# Altium PCB pay-ssm-v4-3.PcbDoc (part 2 of 4) (continued)
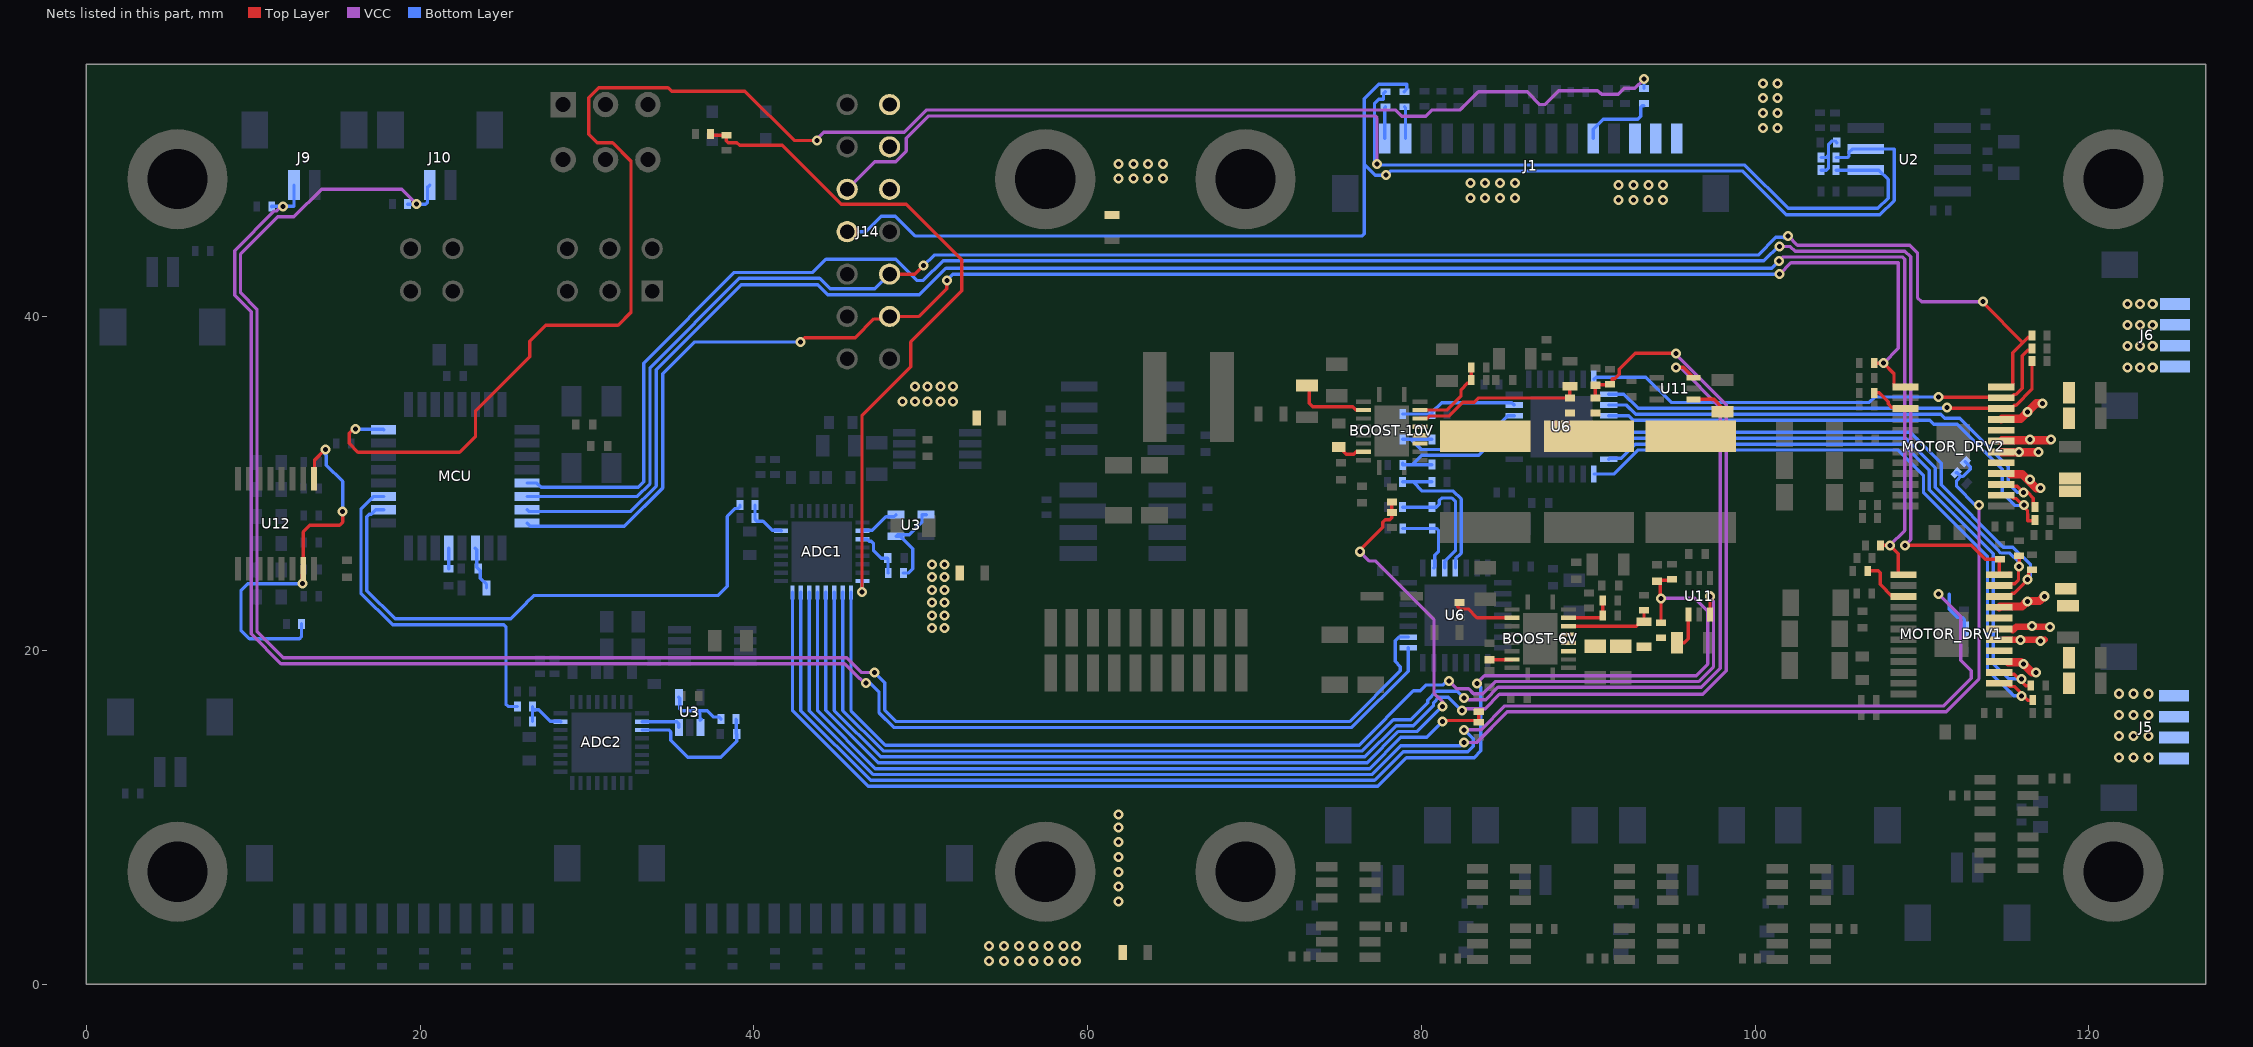
[diagram p6: the nets of this part, all layers, seen from the top]
## Part data (continued)
R80 R81 R82 R83 R84 R85: library part RES0402, "0402 resistor", Case Code (Metric)=1005, Manufacturer="TE Connectivity", Manufacturer Part Number=CRGCQ0402F330R, Max Operating Temperature=155°C, Max Power Dissipation=63mW, Min Operating Temperature=-55°C, Resistance=330R, Supplier Part Number 1=A129621CT-ND, Temperature Coefficient=100ppm/°C, Tolerance=1%, Case/Package=0402, Case Code (Imperial)=0402, Composition="Thick Film", Features="Moisture Resistant,Automotive AEC-Q200", Number of Terminations=2, Packaging="Tape and Reel", Pricing 1="1=0.1, 10=0.022, 100=0.009, 1000=0.00406, 2500=0.00352, 5000=0.00291 (USD)", Stock 1=224275, Supplier 1=Digi-Key
R88: library part RES0402, "0402 resistor", Supplier Part Number 1=52K6769, Supplier 1=Newark
R89: library part RES0603, "0603 resistor", Supplier Part Number 1=311-470KHRCT-ND, Supplier 1=Digi-Key
R92: library part RES0805, "0805 resistor", Supplier Part Number 1=541-15.4KCCT-ND, Supplier 1=Digi-Key
R93: library part RES0402, "0402 resistor", Supplier Part Number 1=541-118KLCT-ND, Supplier 1=Digi-Key
R95: library part Res1, "Resistor", LatestRevisionDate=17-Jul-2002, LatestRevisionNote="Re-released for DXP Platform.", PackageDescription="Axial Device, Thru-Hole; 2 Leads; 0.3 in Pin Spacing", PackageReference=AXIAL-0.3, Published=8-Jun-2000, Publisher="Altium Limited"
RST: library part "Pushbutton - Low Profile", "Schematic symbol for a generic 2-pin pushbutton, OFF-mom.", Supplier Part Number 1=CKN10587CT-ND, Supplier 1=Digi-Key
SSM-OPTICAL: Supplier Part Number 1=SAM8969-ND, Supplier 1=Digi-Key
U2: "3.3V CAN Transceiver with Standby Mode, Loop-back 8-SOIC -40 to 125", Package="SOIC-8 Texas Instruments", Supplier Part Number 1=296-14639-5-ND, Availability=Good, MF="Texas Instruments", MP=SN65HVD233D, Price="2.39 USD", SnapEDA_Link=https://www.snapeda.com/parts/SN65HVD233D/Texas%20Instruments/view-part/?ref=snap, Supplier 1=Digi-Key
U3 U3: "Low power, low noise rail-to-rail op-amp.", Supplier Part Number 1=AD8613AKSZ-REEL7CT-ND, Supplier 1=Digi-Key
U4 U4: "Voltage Reference", Supplier Part Number 1=296-41382-1-ND, Supplier 1=Digi-Key
U6 U6: "16 channel SPI port expander", Supplier Part Number 1=MCP23S17T-E/MLCT-ND, Supplier 1=Digi-Key
U9: "Digital 24-bit pressure sensor with SPI output. Operating range from 0-5bar, includes onboard temperature sensor and hermetic seal.", Supplier Part Number 1=824-MS580305BA01-00, ComponentLink1Description=14BA-Datasheet, ComponentLink1URL=https://www.te.com/commerce/DocumentDelivery/DDEController?Action=srchrtrv&DocNm=MS5803-14BA&DocType=Data+Sheet&DocLang=English, ComponentLink2Description=05BA-Datasheet, ComponentLink2URL=https://www.te.com/commerce/DocumentDelivery/DDEController?Action=srchrtrv&DocNm=MS5803-05BA&DocType=Data+Sheet&DocLang=English, Supplier 1=Mouser
U10: "Digital humidity/temperature sensors. +/- 3% RH, 0-100%, SPI output. Model version with filter and condensation resistant.", Supplier Part Number=480-5705-1-ND, ComponentLink1Description=Datasheet, ComponentLink1URL=https://sensing.honeywell.com/index.php?ci_id=147071, Supplier=Digi-Key, Supplier 1=Digi-Key, Supplier Part Number 1=480-5705-1-ND
U11 U11: "IC CURR SENSE 1 CIRCUIT SC70-6", Supplier Part Number 1=296-51151-1-ND, ComponentLink1Description=Datasheet, ComponentLink1URL=http://www.ti.com/general/docs/suppproductinfo.tsp?distId=10&gotoUrl=http%3A%2F%2Fwww.ti.com%2Flit%2Fgpn%2Fina213-q1, Supplier 1=Digi-Key
U12: "Hex non-inverting buffer with 3-state outputs", Supplier Part Number 1=296-33932-5-ND, Supplier 1=Digi-Key
Y1: library part AMB3B-8MHz, "8MHz Abracom 4-pin crystal.", Supplier Part Number 1=535-13456-1-ND, Supplier 1=Digi-Key

## Free pads (board coordinates)
  round 6 hole 3.6 unplated: 1(5.461,6.731) 1(5.461,48.231) 1(57.461,6.731) 1(57.461,48.231) 1(69.461,6.731) 1(69.461,48.231) 1(121.461,6.731) 1(121.461,48.231)

## Via types
v1: diameter 0.6, hole 0.3, Top Layer to Bottom Layer, tented both sides, 545 vias

## Nets (pads, with @x,y where several pads share a name; then routed paths per layer and width w, separated by ;. In a path a pad name is that pad's centre, name@x,y a point inside that pad or via, vN(x,y) a via of type N, cw(c..) or ccw(c..) an arc to the next point about the centre after c; other vN are vias at no path point)
+BATT: BATT2BST6V.2 BATT2BST10V.2 BATT2HEAT.1 BATT2MOT.1 J1.13 J1.14 J1.15 J14.2 J14.4 J14.6
  other v1: 54.102,1.397 54.991,1.397 55.88,1.397 56.769,1.397 57.658,1.397 58.547,1.397 59.309,1.397 54.102,2.286 54.991,2.286 55.88,2.286 56.769,2.286 57.658,2.286 58.547,2.286 59.309,2.286 61.849,4.953 61.849,5.842 61.849,6.731 61.849,7.62 61.849,8.509 61.849,9.398 61.849,10.16 50.673,21.336 51.435,21.336 50.673,22.098 51.435,22.098 50.673,22.86 51.435,22.86 50.673,23.622 51.435,23.622 50.673,24.384 51.435,24.384 50.673,25.146 51.435,25.146 48.895,34.925 48.895,34.925 49.657,34.925 50.419,34.925 51.181,34.925 51.943,34.925 49.657,35.814 50.419,35.814 51.181,35.814 51.943,35.814 91.821,46.99 92.71,46.99 93.599,46.99 94.488,46.99 82.931,47.117 83.82,47.117 84.709,47.117 85.598,47.117 91.821,47.879 92.71,47.879 93.599,47.879 94.488,47.879 82.931,48.006 83.82,48.006 84.709,48.006 85.598,48.006 61.849,48.26 62.738,48.26 63.627,48.26 64.516,48.26 61.849,49.149 62.738,49.149 63.627,49.149 64.516,49.149 100.457,51.308 101.346,51.308 100.457,52.197 101.346,52.197 100.457,53.086 101.346,53.086 100.457,53.975 101.346,53.975
A0_Port_Expander1: R71.1@80.634,31.13 R74.2@78.878,31.115 U6.11@85.557,33.401 | length 8.9
  Bottom Layer w0.2: R74.2@78.878,31.215 R74.2@78.878,31.115 79.502,31.115 ; R71.1@80.634,31.13 80.619,31.115 79.502,31.115 ; U6.11@85.557,33.401 85.165,33.401 83.446,31.682 80.01,31.682 79.502,31.174 79.502,31.115
A0_Port_Expander2: R71.1@80.634,30.099 R74.2@78.867,30.099 U6.11@82.042,24.933 | length 9.4
  Bottom Layer w0.2: R74.2@78.867,30.099 79.502,30.099 ; R71.1@80.634,30.099 79.502,30.099 ; U6.11@82.042,24.933 82.042,25.477 82.394,25.829 82.394,29.07 81.918,29.547 80.054,29.547 79.502,30.099
A1_Port_Expander1: R70.1@80.634,32.631 R73.2@78.878,32.639 U6.12@85.557,34.051 | length 9
  Bottom Layer w0.2: R73.2@78.878,32.639 79.375,32.639 ; R70.1@80.634,32.631 80.627,32.639 79.375,32.639 ; U6.12@85.557,34.051 85.165,34.051 83.149,32.035 79.979,32.035 79.375,32.639
A1_Port_Expander2: R70.1@80.634,28.575 R73.2@78.867,28.575 U6.12@81.392,24.933 | length 7.9
  Bottom Layer w0.2: R73.2@78.867,28.575 R70.1@80.634,28.575 80.899,28.575 81.082,28.758 81.082,28.98 81.229,29.127 81.839,29.127 82.042,28.924 82.042,25.975 81.392,25.325 U6.12@81.392,24.933
A2_Port_Expander1: R69.1@80.634,34.163 R72.2@78.878,34.163 U6.13@85.557,34.701 | length 7.1
  Bottom Layer w0.2: R72.2@78.878,34.163 R69.1@80.634,34.163 80.634,34.263 81.213,34.842 85.416,34.842 U6.13@85.557,34.701
A2_Port_Expander2: R69.1@80.645,27.305 R72.2@78.878,27.305 U6.13@80.742,24.933 | length 4.6
  Bottom Layer w0.2: R72.2@78.878,27.305 R69.1@80.645,27.305 80.909,27.305 81.026,27.188 81.026,25.908 80.807,25.689 80.807,24.998 U6.13@80.742,24.933
A_PHASE_MOT1: MCU.15 MOTOR_DRV1.13 R60.2@107.511,26.289 | length 113.8
  Top Layer w0.2: R60.2@107.511,26.289 v1(108.077,26.289) 108.585,25.781 108.585,24.635 108.69,24.53 MOTOR_DRV1.13@108.89,24.53
  VCC w0.2: v1(101.444,43.336) 101.679,43.57 108.83,43.57 108.966,43.434 108.966,27.178 v1(108.077,26.289)
  Bottom Layer w0.2: MCU.15@26.416,28.423 26.518,28.321 32.639,28.321 34.163,29.845 34.163,36.82 36.581,39.238 38.618,41.275 39.253,41.91 43.821,41.91 44.426,41.305 49.922,41.305 51.514,42.897 101.006,42.897 v1(101.444,43.336)
A_PHASE_MOT2: J14.12 MCU.16 MOTOR_DRV2.13 R60.2@107.13,37.211 | length 102.3
  Top Layer w0.2: v1(42.799,38.481) 42.799,38.491 43.043,38.735 46.076,38.735 47.198,39.857 47.985,39.857 J14.12@48.133,40.005 49.899,40.005 51.562,41.668 v1(51.562,42.164) ; R60.2@107.13,37.211 v1(107.696,37.211) 108.321,36.586 108.321,35.894 108.426,35.789 MOTOR_DRV2.13@109.006,35.789
  VCC w0.2: v1(101.473,42.545) 102.146,43.218 108.585,43.218 108.585,38.1 v1(107.696,37.211)
  Bottom Layer w0.2: MCU.16@26.416,27.623 26.607,27.432 32.248,27.432 34.544,29.728 34.544,36.576 36.449,38.481 v1(42.799,38.481) ; v1(51.562,42.164) 51.562,42.179 51.928,42.545 v1(101.473,42.545)
ADC1_CS_N: MCU.26 R19.1@39.174,28.702 | length 34
  Bottom Layer w0.2: MCU.26@17.816,28.423 17.341,28.423 17.068,28.15 16.961,28.15 16.814,28.003 16.814,23.572 18.5,21.885 25.432,21.885 26.375,22.828 26.375,22.838 26.822,23.285 37.837,23.285 38.398,23.847 38.398,28.021 38.879,28.502 39.074,28.502 39.174,28.602 R19.1@39.174,28.702
ADC2_CS_N: MCU.27 R19.1@25.839,16.637 | length 21.6
  Bottom Layer w0.2: MCU.27@17.816,29.223 17.234,29.223 16.461,28.45 16.461,23.426 18.354,21.533 25.029,21.533 25.146,21.416 25.146,16.764 25.273,16.637 R19.1@25.839,16.637
ADC_AINP_ADC1: ADC1.3 C11.2@48.014,25.527 R21.2@48.064,24.638 | length 3.1
  Bottom Layer w0.2: ADC1.3@46.504,26.658 46.794,26.658 46.912,26.54 47.029,26.54 47.176,26.393 47.176,25.974 47.623,25.527 C11.2@48.014,25.527 48.039,25.502 48.039,24.663 R21.2@48.064,24.638
ADC_AINP_ADC2: ADC2.3 C11.2@38.981,14.986 R21.2@38.931,15.875 | length 8.4
  Bottom Layer w0.2: ADC2.3@33.296,15.228 34.907,15.228 35.025,15.111 35.025,14.613 36.049,13.589 38.023,13.589 38.981,14.547 C11.2@38.981,14.986 38.956,15.011 38.956,15.85 R21.2@38.931,15.875
ADC_BUF_OUT_ADC1: R21.1@48.964,24.638 U3.1@48.523,26.832 U3.4@50.323,28.132 | length 5.8
  Bottom Layer w0.2: R21.1@48.964,24.638 49.276,24.638 49.53,24.892 49.53,26.09 48.788,26.832 U3.1@48.523,26.832 48.615,26.924 49.323,26.924 50.077,27.678 50.077,28.132 U3.4@50.323,28.132
ADC_BUF_OUT_ADC2: R21.1@38.031,15.875 U3.1@36.812,15.382 U3.4@35.512,17.182 | length 4.2
  Bottom Layer w0.2: U3.4@35.512,17.182 35.56,17.134 35.56,16.5 35.677,16.383 36.576,16.383 ; U3.1@36.854,15.875 36.777,15.799 36.777,16.182 36.576,16.383 ; R21.1@38.031,15.875 38.031,15.902 37.931,16.002 37.592,16.002 37.211,16.383 36.576,16.383
ADC_CH3_ADC1: ADC1.15 R42.1 R78_MOT_DRV1.2 | length 91.7
  VCC w0.2: v1(82.55,15.24) 83.576,15.24 85.001,16.666 111.3,16.666 112.947,18.313 112.947,18.771 112.312,19.406 112.312,22.054 v1(110.998,23.368)
  Bottom Layer w0.2: ADC1.15@42.819,23.473 42.819,16.382 46.993,12.208 77.194,12.208 78.911,13.926 82.779,13.926 83.102,14.249 83.102,14.707 82.569,15.24 v1(82.55,15.24) ; 111.633,23.368 111.633,22.453 112.117,21.969 112.405,21.969 112.522,21.851 R42.1@112.522,21.521 R78_MOT_DRV1.2@112.522,20.897
ADC_CH4_ADC1: ADC1.14 R43.1 R78_MOT_DRV2.2 | length 95.8
  VCC w0.2: v1(82.55,14.478) 83.312,14.478 85.147,16.313 104.016,16.313 109.385,16.313 111.446,16.313 113.411,18.278 v1(113.411,28.702)
  Bottom Layer w0.2: ADC1.14@43.319,23.473 43.319,16.381 47.139,12.561 77.048,12.561 78.765,14.278 82.35,14.278 v1(82.55,14.478) ; R78_MOT_DRV2.2@112.04,30.634 112.117,30.634 112.333,30.418 ; R43.1@112.586,31.305 112.884,31.007 112.884,30.842 112.747,30.705 112.743,30.705 112.457,30.418 112.333,30.418 ; v1(113.411,28.702) 113.19,28.702 112.07,29.822 112.07,30.155 112.333,30.418
ADC_MXO_ADC1: ADC1.2 U3.3@48.523,28.132 | length 2.4
  Bottom Layer w0.2: ADC1.2@46.504,27.158 46.534,27.188 47.108,27.188 47.917,27.997 48.388,27.997 U3.3@48.523,28.132
ADC_MXO_ADC2: ADC2.2 U3.3@35.512,15.382 | length 2.5
  Bottom Layer w0.2: ADC2.2@33.296,15.728 35.377,15.728 35.512,15.593 U3.3@35.512,15.382
ADECAY_MOTOR_DRV1: MOTOR_DRV1.3 R62.2@116.517,17.907 U6.28@91.227,31.451 | length 37.7
  Top Layer w0.2: MOTOR_DRV1.3@114.63,18.68 114.735,18.575 115.518,18.575 116.205,17.888 116.498,17.888 R62.2@116.517,17.907
  Bottom Layer w0.2: U6.28@91.227,31.451 91.292,31.516 91.968,31.516 92.809,32.357 108.867,32.357 110.441,30.783 110.441,29.621 114.271,25.79 114.271,19.206 115.189,18.288 v1(115.951,18.288)
ADECAY_MOTOR_DRV2: MOTOR_DRV2.3 R62.2@116.771,28.575 U6.23@91.227,34.701 | length 30.5
  Top Layer w0.2: MOTOR_DRV2.3@114.746,29.939 114.851,29.834 115.708,29.834 v1(116.078,29.464) 116.328,29.464 116.671,29.121 116.671,28.675 R62.2@116.771,28.575
  Bottom Layer w0.2: U6.23@91.227,34.701 92.289,34.701 92.843,34.147 111.122,34.147 111.365,33.904 112.263,33.904 115.16,31.007 115.16,30.001 115.697,29.464 v1(116.078,29.464)
AENBL_MOTOR_DRV1: MOTOR_DRV1.10 R58.2@116.586,24.823 U6.26@91.227,32.751 | length 33.3
  Top Layer w0.2: MOTOR_DRV1.10@114.63,23.23 115.21,23.23 115.403,23.423 115.52,23.423 116.332,24.235 v1(116.332,24.257) 116.386,24.311 116.386,24.723 116.486,24.823 R58.2@116.586,24.823
  Bottom Layer w0.2: U6.26@91.227,32.751 92.197,32.751 92.507,33.061 109.296,33.061 110.573,31.785 110.573,31.775 111.145,31.202 111.145,29.913 114.876,26.182 115.442,26.182 116.503,25.121 116.503,24.428 v1(116.332,24.257)
AENBL_MOTOR_DRV2: MOTOR_DRV2.10 R58.2@116.586,37.338 U6.22@91.227,35.351 | length 27.9
  Top Layer w0.2: v1(111.506,34.544) 111.534,34.516 114.718,34.516 MOTOR_DRV2.10@114.746,34.489 115.326,34.489 115.519,34.682 115.636,34.682 116.586,35.632 R58.2@116.586,37.338
  Bottom Layer w0.2: U6.22@91.227,35.351 92.138,35.351 92.989,34.5 v1@111.506,34.5
AISEN_MOTOR_DRV1: MOTOR_DRV1.5 R56.2@118.811,18.034 R57.2@118.811,19.558
AISEN_MOTOR_DRV2: MOTOR_DRV2.5 R56.2@118.872,29.525 R57.2@118.872,30.292
AOUT1_MOTOR_DRV1: J5.4 MOTOR_DRV1.4 | length 1.9
  Top Layer w0.5: MOTOR_DRV1.4@115.165,19.287 115.941,19.287 116.051,19.177 v1(116.078,19.177) 116.586,18.669 v1(116.84,18.669)
  other v1: 121.793,13.589 122.682,13.589 123.571,13.589
AOUT1_MOTOR_DRV2: J6.1 MOTOR_DRV2.4 | length 2.2
  Top Layer w0.5: MOTOR_DRV2.4@115.281,30.546 116.012,30.546 116.84,29.718 v1(117.094,29.718)
  other v1: 116.459,30.226 122.301,40.767 123.063,40.767 123.825,40.767
AOUT2_MOTOR_DRV1: J5.3 MOTOR_DRV1.6 | length 2.5
  Top Layer w0.4: MOTOR_DRV1.6@114.884,20.63 v1(115.895,20.63) v1@117.348,20.63
  other v1: 121.793,14.859 122.682,14.859 123.571,14.859 117.094,20.574
AOUT2_MOTOR_DRV2: J6.2 MOTOR_DRV2.6 | length 2.2
  Top Layer w0.5: MOTOR_DRV2.6@114.758,31.877 v1(116.967,31.877)
  other v1: 115.824,31.877 122.301,39.497 123.063,39.497 123.825,39.497
AREF: C4.2 MCU.21 | length 1.2
  Bottom Layer w0.2: MCU.21@21.716,26.123 C4.2@21.717,24.884 C4.2@21.717,24.884
AVCC: C3.2 L1.2 MCU.19 | length 2.7
  Bottom Layer w0.2: MCU.19@23.316,26.123 23.397,26.041 23.397,24.973 23.604,24.767 23.604,24.328 23.983,23.949 L1.2@23.983,23.749
B_PHASE_MOT1: MCU.13 MOTOR_DRV1.12 R61.2@114.681,25.458 | length 119.7
  Top Layer w0.2: v1(108.966,26.289) 112.951,26.289 113.782,25.458 R61.2@114.681,25.458 114.63,25.407 MOTOR_DRV1.12@114.63,24.53 115.167,24.53 MOTOR_DRV1.12@115.272,24.635
  VCC w0.2: v1(101.473,44.196) 102.118,44.196 102.391,43.923 108.976,43.923 109.318,43.58 109.318,26.641 v1(108.966,26.289)
  Bottom Layer w0.2: MCU.13@26.416,30.023 27,30.023 27.25,29.773 33.075,29.773 33.401,30.099 33.401,37.211 38.833,42.643 43.532,42.643 44.323,43.434 48.499,43.434 49.769,42.164 50.165,42.164 51.337,43.336 100.526,43.336 101.473,44.283 v1(101.473,44.196)
B_PHASE_MOT2: J14.10 MCU.14 MOTOR_DRV2.12 R61.2@116.586,38.862 | length 109.3
  Top Layer w0.2: J14.10@48.133,42.545 49.657,42.545 v1(50.165,43.053) ; v1(113.665,40.894) 113.665,40.824 116.043,38.446 ; MOTOR_DRV2.12@114.746,35.789 115.326,35.789 115.431,35.894 115.431,37.834 116.043,38.446 ; R61.2@116.586,38.862 116.586,38.762 116.359,38.762 116.043,38.446
  VCC w0.2: v1(101.981,44.831) 102.537,44.275 109.268,44.275 109.728,43.815 109.728,41.138 109.972,40.894 v1(113.665,40.894)
  Bottom Layer w0.2: MCU.14@26.416,29.223 33.023,29.223 33.753,29.953 33.753,29.969 33.782,29.998 33.782,36.938 39.135,42.291 43.939,42.291 44.572,41.658 47.246,41.658 J14.10@48.133,42.545 ; v1(50.165,43.053) 50.8,43.688 100.184,43.688 101.244,44.748 101.702,44.748 101.746,44.704 101.873,44.831 v1(101.981,44.831)
BDECAY_MOTOR_DRV1: MOTOR_DRV1.2 R63.2@116.644,17.018 U6.1@90.342,30.566 | length 39.4
  Top Layer w0.2: MOTOR_DRV1.2@114.63,18.03 115.145,18.03 115.145,17.932 115.239,17.837 115.52,17.837 116.339,17.018 R63.2@116.644,17.018
  Bottom Layer w0.2: U6.1@90.342,30.566 91.526,30.566 92.964,32.004 108.585,32.004 110.088,30.501 110.088,29.475 113.919,25.644 113.919,18.85 115.497,17.272 v1(115.951,17.272)
BDECAY_MOTOR_DRV2: MOTOR_DRV2.2 R63.2@116.771,27.813 U6.24@91.227,34.051 | length 30.9
  Top Layer w0.2: MOTOR_DRV2.2@114.746,29.289 115.326,29.289 115.519,29.096 115.653,29.096 115.984,28.765 v1@116.045,28.765 ; v1@116.053,28.648 116.319,28.383 116.319,28.17 116.332,28.157 116.332,27.757 116.69,27.757 116.694,27.753 116.771,27.83 R63.2@116.771,27.813
  Bottom Layer w0.2: U6.24@91.227,34.051 92.441,34.051 92.697,33.795 110.468,33.795 110.711,33.552 112.117,33.552 114.808,30.861 114.808,29.454 115.584,28.678 v1@116.083,28.678
  other v1: 116.116,28.712
BENBL_MOTOR_DRV1: MOTOR_DRV1.11 R59.2@115.824,25.665 U6.27@91.227,32.101 | length 31.6
  Top Layer w0.2: MOTOR_DRV1.11@114.63,23.88 114.735,23.985 115.552,23.985 115.78,24.213 115.78,24.975 v1(115.824,25.019) R59.2@115.824,25.665
  Bottom Layer w0.2: U6.27@91.227,32.101 92.045,32.101 92.653,32.709 109.013,32.709 110.793,30.929 110.793,29.767 114.515,26.045 114.73,25.83 115.267,25.83 115.824,25.273 v1(115.824,25.019)
BENBL_MOTOR_DRV2: MOTOR_DRV2.11 R59.2@116.586,38.1 U6.21@90.342,36.236 | length 29.5
  Top Layer w0.2: v1(110.998,35.179) 111.018,35.159 114.726,35.159 MOTOR_DRV2.11@114.746,35.139 115.326,35.139 115.519,35.332 115.636,35.332 116.011,35.707 116.011,37.652 116.359,38 116.586,38 R59.2@116.586,38.1
  Bottom Layer w0.2: U6.21@90.342,36.236 90.472,36.366 93.447,36.366 94.961,34.852 106.851,34.852 107.178,35.179 v1(110.998,35.179)
BISEN_MOTOR_DRV1: MOTOR_DRV1.8 R54.2@118.745,22.667 R55.2@118.618,23.688
BISEN_MOTOR_DRV2: MOTOR_DRV2.8 R54.2@118.811,33.909 R55.2@118.811,35.433
BOOST2_CURR_MON: ADC1.9 U11.6@97.297,22.141 | length 67.6
  Top Layer w0.2: v1(97.282,23.241) 97.282,23.114 97.297,23.099 U11.6@97.297,22.141
  VCC w0.2: v1(81.661,18.161) 82.125,17.697 82.826,17.697 83.124,17.399 83.693,17.399 84.426,18.132 96.609,18.132 97.507,19.031 97.507,22.907 97.282,23.133 v1(97.282,23.241)
  Bottom Layer w0.2: ADC1.9@45.819,23.473 45.819,16.392 47.888,14.323 76.279,14.323 79.527,17.57 79.94,17.57 80.295,17.926 81.318,17.926 81.553,18.161 v1(81.661,18.161)
BOOST2_OUT: BOOST-6V.14 BOOST-6V.15 BOOST-6V.16 C35.2 C50.2 R87.1 R89.2 R91.2 U11.4@95.997,22.141 | length 2.2
  Top Layer w0.2: R87.1@95.316,20.447 95.758,20.447 95.997,20.686 U11.4@95.997,22.141
BOOST2_TEMP: ADC1.13 R41.1 R78_BST6V.2 | length 50
  Top Layer w0.2: v1(81.28,15.748) 81.296,15.732 81.356,15.792 83.337,15.792 R41.1@83.439,15.69 R78_BST6V.2@83.439,16.314
  Bottom Layer w0.2: ADC1.13@43.819,23.473 43.819,16.379 47.285,12.913 76.902,12.913 78.775,14.786 80.318,14.786 v1(81.28,15.748)
BOOST2_VOLT_DIV: BOOST-6V.17 R89.1 R93.2 | length 5.3
  Top Layer w0.2: BOOST-6V.17@88.807,21.451 92.891,21.451 93.145,21.705 R89.1@93.345,21.705 R93.2@93.345,22.41
BOOST2_VOLT_MON: ADC1.16 C52.2 R91.1 R94.2 | length 79.4
  Top Layer w0.2: R91.1@94.361,21.659 94.359,21.661 v1(94.359,23.114) 94.307,23.166 94.307,24.013 94.182,24.138 C52.2@94.107,24.138 94.166,24.197 94.957,24.197 R94.2@95.016,24.257
  VCC w0.2: v1(83.322,18.024) 83.782,18.485 96.463,18.485 97.155,19.177 97.155,22.352 96.393,23.114 v1(94.359,23.114)
  Bottom Layer w0.2: ADC1.16@42.319,23.473 42.319,16.384 46.847,11.856 77.388,11.856 79.105,13.573 83.169,13.573 83.566,13.97 83.566,17.78 v1(83.322,18.024)
BOOST_CURR_MON: ADC1.10 U11.6@96.307,36.337 | length 83.8
  Top Layer w0.2: v1(95.25,36.957) 95.687,36.957 U11.6@96.307,36.337
  VCC w0.2: v1(82.55,17.145) 82.648,17.047 83.858,17.047 84.592,17.78 96.774,17.78 97.917,18.923 97.917,34.544 95.504,36.957 v1(95.25,36.957)
  Bottom Layer w0.2: ADC1.10@45.319,23.473 45.319,16.393 47.742,13.97 76.454,13.97 78.327,15.843 79.362,15.843 80.375,16.856 80.375,17.012 80.905,17.542 82.153,17.542 v1(82.55,17.145)
BOOST_OUT: BOOST-10V.14 BOOST-10V.15 BOOST-10V.16 C21.2 C24.2 C28.2 R28.1 R30.2 R32.2 U11.4@96.307,35.037 | length 2.2
  Top Layer w0.2: U11.4@96.307,35.037 97.551,35.037 98.044,34.544 R28.1@98.044,34.295
BOOST_TEMP: ADC1.12 R36.1 R78_BST10V.2 | length 62.4
  Top Layer w0.2: v1(76.327,25.908) 76.461,25.908 76.461,26.162 77.68,27.38 77.68,27.668 77.827,27.815 78.115,27.815 78.232,27.933 R36.1@78.232,28.263 R78_BST10V.2@78.232,28.887
  VCC w0.2: v1(76.327,25.908) 76.537,25.908 76.537,25.679 76.86,25.356 77.251,25.356 80.756,21.85 80.756,17.444 81.28,16.92 v1(81.28,16.637)
  Bottom Layer w0.2: ADC1.12@44.319,23.473 44.319,16.397 47.45,13.265 76.756,13.265 78.629,15.138 79.756,15.138 81.255,16.637 v1(81.28,16.637)
BOOST_VOLT_DIV: BOOST-10V.17 R30.1 R34.2 | length 10.2
  Top Layer w0.2: BOOST-10V.17@79.917,33.897 79.947,33.927 80.384,33.927 80.502,34.045 81.67,34.045 82.486,34.861 83.18,34.861 83.44,35.121 R30.1@88.9,35.121 R34.2@88.9,35.826
BOOST_VOLT_MON: ADC1.11 C30.2 R32.1 R35.2 | length 91.4
  Top Layer w0.2: R32.1@90.424,35.248 C30.2@90.424,35.891 90.449,35.916 91.288,35.916 R35.2@91.313,35.941 91.34,35.941 91.44,36.041 91.44,36.271 91.6,36.271 91.865,36.536 91.865,36.857 92.807,37.799 v1(95.25,37.799)
  VCC w0.2: v1(82.423,16.383) 82.55,16.51 83.82,16.51 84.68,17.37 96.872,17.37 98.269,18.767 98.269,34.719 95.25,37.738 v1(95.25,37.799)
  Bottom Layer w0.2: ADC1.11@44.819,23.473 44.819,16.395 47.596,13.618 76.61,13.618 78.483,15.491 79.508,15.491 80.728,16.71 80.728,16.866 81.051,17.189 81.617,17.189 v1(82.423,16.383)
BOOT: BOOST-10V.8 C19.1 | length 1.7
  Top Layer w0.2: C19.1@75.057,32.193 75.389,31.861 75.5,31.75 75.946,31.75 76.093,31.897 BOOST-10V.8@76.547,31.897
BOOT2: BOOST-6V.8 C31.1 | length 1.4
  Top Layer w0.2: C31.1@84.074,19.439 84.08,19.445 85.431,19.445 BOOST-6V.8@85.437,19.451
BOT_SW1_IRQ: J9.2 R46.1 U6.21@79.207,20.148 | length 105.3
  VCC w0.2: v1(11.796,46.609) 11.687,46.609 11.405,46.326 11.274,46.326 8.89,43.942 8.89,41.275 9.877,40.288 9.877,20.993 11.665,19.206 15.745,19.206 45.437,19.206 46.326,18.317 46.345,18.317 46.628,18.034 v1(46.736,18.034)
  Bottom Layer w0.2: R46.1@11.118,46.609 11.118,46.582 11.145,46.609 v1(11.796,46.609) 12.446,46.609 J9.2@12.446,47.879 ; v1(46.736,18.034) 46.863,18.161 47.498,17.526 47.498,16.275 48.393,15.38 75.841,15.38 79.207,18.745 U6.21@79.207,20.148
BOT_SW2_IRQ: J10.2 R47.1 U6.20@79.207,20.798 | length 113.6
  VCC w0.2: v1(19.788,46.736) 18.899,47.625 14.097,47.625 12.446,45.974 11.465,45.974 9.242,43.752 9.242,41.421 10.23,40.434 10.23,21.139 11.811,19.558 15.891,19.558 17.653,19.558 45.583,19.558 46.472,18.669 v1(47.244,18.669)
  Bottom Layer w0.2: R47.1@19.246,46.736 v1(19.788,46.736) 20.33,46.736 20.447,46.853 20.447,47.752 J10.2@20.574,47.879 ; v1(47.244,18.669) 47.85,18.063 47.85,16.421 48.539,15.732 75.696,15.732 78.74,18.777 78.74,19.03 78.435,19.336 78.435,20.584 78.649,20.798 U6.20@79.207,20.798
BOUT1_MOTOR_DRV1: J5.1 MOTOR_DRV1.9 | length 3
  Top Layer w0.5: MOTOR_DRV1.9@114.63,22.58 114.673,22.623 115.987,22.623 116.305,22.94 v1(116.332,22.94) 116.351,22.959 117.039,22.959 117.321,23.241 v1(117.348,23.241)
  other v1: 121.793,17.399 122.682,17.399 123.571,17.399
BOUT1_MOTOR_DRV2: J6.4 MOTOR_DRV2.9 | length 2.9
  Top Layer w0.5: MOTOR_DRV2.9@114.746,33.839 114.789,33.882 115.924,33.882 116.84,34.798 v1(117.221,34.798)
  other v1: 116.318,34.276 122.301,36.957 123.063,36.957 123.825,36.957
BOUT2_MOTOR_DRV1: J5.2 MOTOR_DRV1.7 | length 2.3
  Top Layer w0.4: 115.443,21.209 115.641,21.407 v1(117.673,21.407)
  other v1: 121.793,16.129 122.682,16.129 123.571,16.129 116.586,21.463
BOUT2_MOTOR_DRV2: J6.3 MOTOR_DRV2.7 | length 3
  Top Layer w0.5: MOTOR_DRV2.7@114.746,32.539 114.789,32.582 117.672,32.582 v1(117.729,32.639)
  other v1: 116.459,32.639 122.301,38.227 123.063,38.227 123.825,38.227
BUF_EN_N: R79.2 U12.1 U12.15 | length 23.3
  Top Layer w0.2: v1(12.965,23.993) 12.948,23.976 12.948,24.84 U12.15@12.999,24.892 12.999,27.096 13.399,27.496 15.177,27.496 15.367,27.686 v1(15.367,28.321) ; U12.1@13.649,30.292 13.676,30.319 13.676,31.4 v1(14.323,32.047)
  Bottom Layer w0.2: R79.2@12.896,21.59 12.896,20.818 12.779,20.701 9.779,20.701 9.271,21.209 9.271,23.585 9.679,23.993 v1(12.965,23.993) ; v1@14.275,31.826 14.275,31.813 14.388,31.699 14.388,31.097 15.367,30.118 v1(15.367,28.321)
CAN_CM_F: C9.2 R12.1 R16.1 | length 3.1
  Bottom Layer w0.2: R12.1@103.944,48.768 104.267,48.768 104.392,48.893 104.392,49.655 ; R16.1@103.944,49.53 104.267,49.53 104.392,49.655 ; C9.2@104.874,50.417 104.894,50.417 C9.2@104.894,50.419 104.79,50.523 104.625,50.523 104.392,50.29 104.392,49.655
CANH: J14.7 R2.2 R16.2 U2.7 | length 84
  Bottom Layer w0.2: J14.7@45.593,45.085 46.71,45.085 47.643,46.018 48.47,46.018 49.657,44.831 76.454,44.831 76.581,44.958 76.581,49.13 ; R2.2@78.994,53.478 78.967,53.478 79.134,53.645 79.134,53.93 77.446,53.93 76.581,53.065 76.581,49.13 ; R16.2@104.844,49.53 105.537,49.53 105.62,49.613 105.62,49.838 105.82,50.038 U2.7@106.62,50.038 108.331,50.038 108.331,46.954 107.478,46.101 101.864,46.101 99.239,48.725 78.151,48.725 v1(77.895,48.47) 77.241,48.47 76.581,49.13
CANH_R: J1.2 R2.1 | length 1.9
  Bottom Layer w0.2: R2.1@78.994,52.578 79.047,52.525 J1.2@79.047,50.673
CANL: J14.5 R1.2 R12.2 U2.6 | length 78.3
  VCC w0.2: J14.5@45.593,47.625 47.246,49.278 48.501,49.278 49.139,49.916 49.139,50.702 49.168,50.702 50.485,52.019 77.226,52.019 77.343,51.902 v1(77.343,49.149)
  Bottom Layer w0.2: R1.2@77.851,53.478 77.834,53.478 77.734,53.378 77.734,53.03 77.446,53.03 77.195,52.779 77.195,49.078 99.385,49.078 101.981,46.482 107.361,46.482 107.972,47.093 107.972,48.216 107.42,48.768 U2.6@106.62,48.768 R12.2@104.844,48.768
CANL_R: J1.1 R1.1 | length 1.9
  Bottom Layer w0.2: J1.1@77.797,50.673 77.797,52.524 R1.1@77.851,52.578
COMP: BOOST-10V.18 R27.2 R31.2 | length 4.8
  Top Layer w0.2: BOOST-10V.18@79.917,34.397 81.514,34.397 82.379,35.262 82.379,35.622 82.752,35.995 82.889,35.995 82.989,36.095 R27.2@82.989,36.957
COMP2: BOOST-6V.18 R40.2 R90.2 | length 3.1
  Top Layer w0.2: BOOST-6V.18@88.807,21.951 90.843,21.951 90.863,21.971 R90.2@90.863,22.987
CONFIG_MOTOR_DRV1: MOTOR_DRV1.15 R51.1@106.749,24.765 | length 3.2
  Top Layer w0.2: R51.1@106.749,24.765 107.383,24.765 107.5,24.648 107.5,23.948 107.853,23.596 107.853,23.57 108.193,23.23 MOTOR_DRV1.15@108.89,23.23
CONFIG_MOTOR_DRV2: MOTOR_DRV2.15 R51.1@107.13,35.433 | length 2.3
  Top Layer w0.2: R51.1@107.13,35.433 107.442,35.433 107.969,34.906 107.969,34.77 108.196,34.542 108.953,34.542 MOTOR_DRV2.15@109.006,34.489
CS_N_R_ADC1: ADC1.23 R19.2@40.074,28.702 R24.1@40.074,27.94 | length 2.7
  Bottom Layer w0.2: R19.2@40.074,28.702 R24.1@40.074,27.94 40.074,27.84 40.174,27.74 40.551,27.74 41.103,27.188 41.604,27.188 ADC1.23@41.634,27.158
CS_N_R_ADC2: ADC2.23 R19.2@26.739,16.637 R24.1@26.739,15.748 | length 2.9
  Bottom Layer w0.2: R24.1@26.739,15.748 R19.2@26.739,16.537 ; R19.2@26.739,16.637 R19.2@26.739,16.537 ; ADC2.23@28.426,15.728 28.396,15.758 27.803,15.758 27.124,16.437 26.839,16.437 R19.2@26.739,16.537
EPS_RST: MCU.32 R10.2 | length 107.3
  Top Layer w0.2: v1(16.129,33.274) 16.021,33.274 15.757,33.01 15.757,32.395 16.281,31.871 22.365,31.871 23.327,32.833 23.327,34.357 26.572,37.601 26.572,38.519 27.529,39.476 31.866,39.476 32.641,40.251 32.641,49.312 31.535,50.417 30.609,50.417 30.101,50.925 30.101,53.125 30.695,53.719 34.862,53.719 35.076,53.505 39.459,53.505 42.411,50.553 v1(43.79,50.553)
  VCC w0.2: v1(43.79,50.553) 43.79,50.648 44.196,51.054 49.022,51.054 50.349,52.381 78.442,52.381 78.821,52.002 80.267,52.002 80.647,52.381 82.334,52.381 83.42,53.467 86.341,53.467 87.103,52.705 87.395,52.705 88.23,53.54 90.557,53.54 90.713,53.384 90.751,53.384 90.811,53.324 91.796,53.324 92.148,53.677 92.793,53.677 v1(93.345,54.229)
  Bottom Layer w0.2: v1(16.129,33.274) 16.155,33.248 17.791,33.248 MCU.32@17.816,33.223 ; R10.2@93.345,53.663 v1(93.345,54.229)
EPS_RST_R: J1.11 R10.1 | length 4.5
  Bottom Layer w0.2: J1.11@90.297,50.673 90.297,51.223 90.899,51.825 92.964,51.825 93.145,52.006 93.145,52.536 93.245,52.636 R10.1@93.345,52.636
FSW: BOOST-10V.3 R26.1 | length 4.6
  Top Layer w0.2: R26.1@73.152,35.875 73.279,35.748 73.279,34.798 73.484,34.593 75.897,34.593 76.073,34.417 76.527,34.417 BOOST-10V.3@76.547,34.397
FSW2: BOOST-6V.3 R39.1 | length 3.9
  Top Layer w0.2: R39.1@82.169,22.929 82.188,22.91 82.188,22.599 82.305,22.481 82.802,22.481 83.332,21.951 BOOST-6V.3@85.437,21.951
GEN_THM: ADC1.8 R76.1 R78_AmbientTemp.2 | length 41.4
  Top Layer w0.2: R78_AmbientTemp.2@37.407,50.927 37.465,50.869 R76.1@38.354,50.869 38.354,50.539 38.471,50.421 38.987,50.421 39.145,50.263 41.7,50.263 45.225,46.738 49.147,46.738 52.467,43.418 52.467,41.545 49.403,38.481 49.403,36.982 46.482,34.061 v1(46.482,23.495)
  Bottom Layer w0.2: v1(46.482,23.495) 46.482,24.136 ADC1.8@46.504,24.158